# Altium PCB PCB.PcbDoc (part 2 of 10)
Units mil, origin at the board's own origin, x right, y up, seen from the top; angles counter-clockwise.
Board outline 4370.08 x 4921.26 mil, 6 copper layers (Component Side, Ground Plane I, Signal Layer 1, Power Plane, Ground Plane II, Solder Side), stack 57.638 mil thick; 274 components, 415 nets, 1726 pads, 902 vias.
Unrouted connection lines stored in the file: 2.
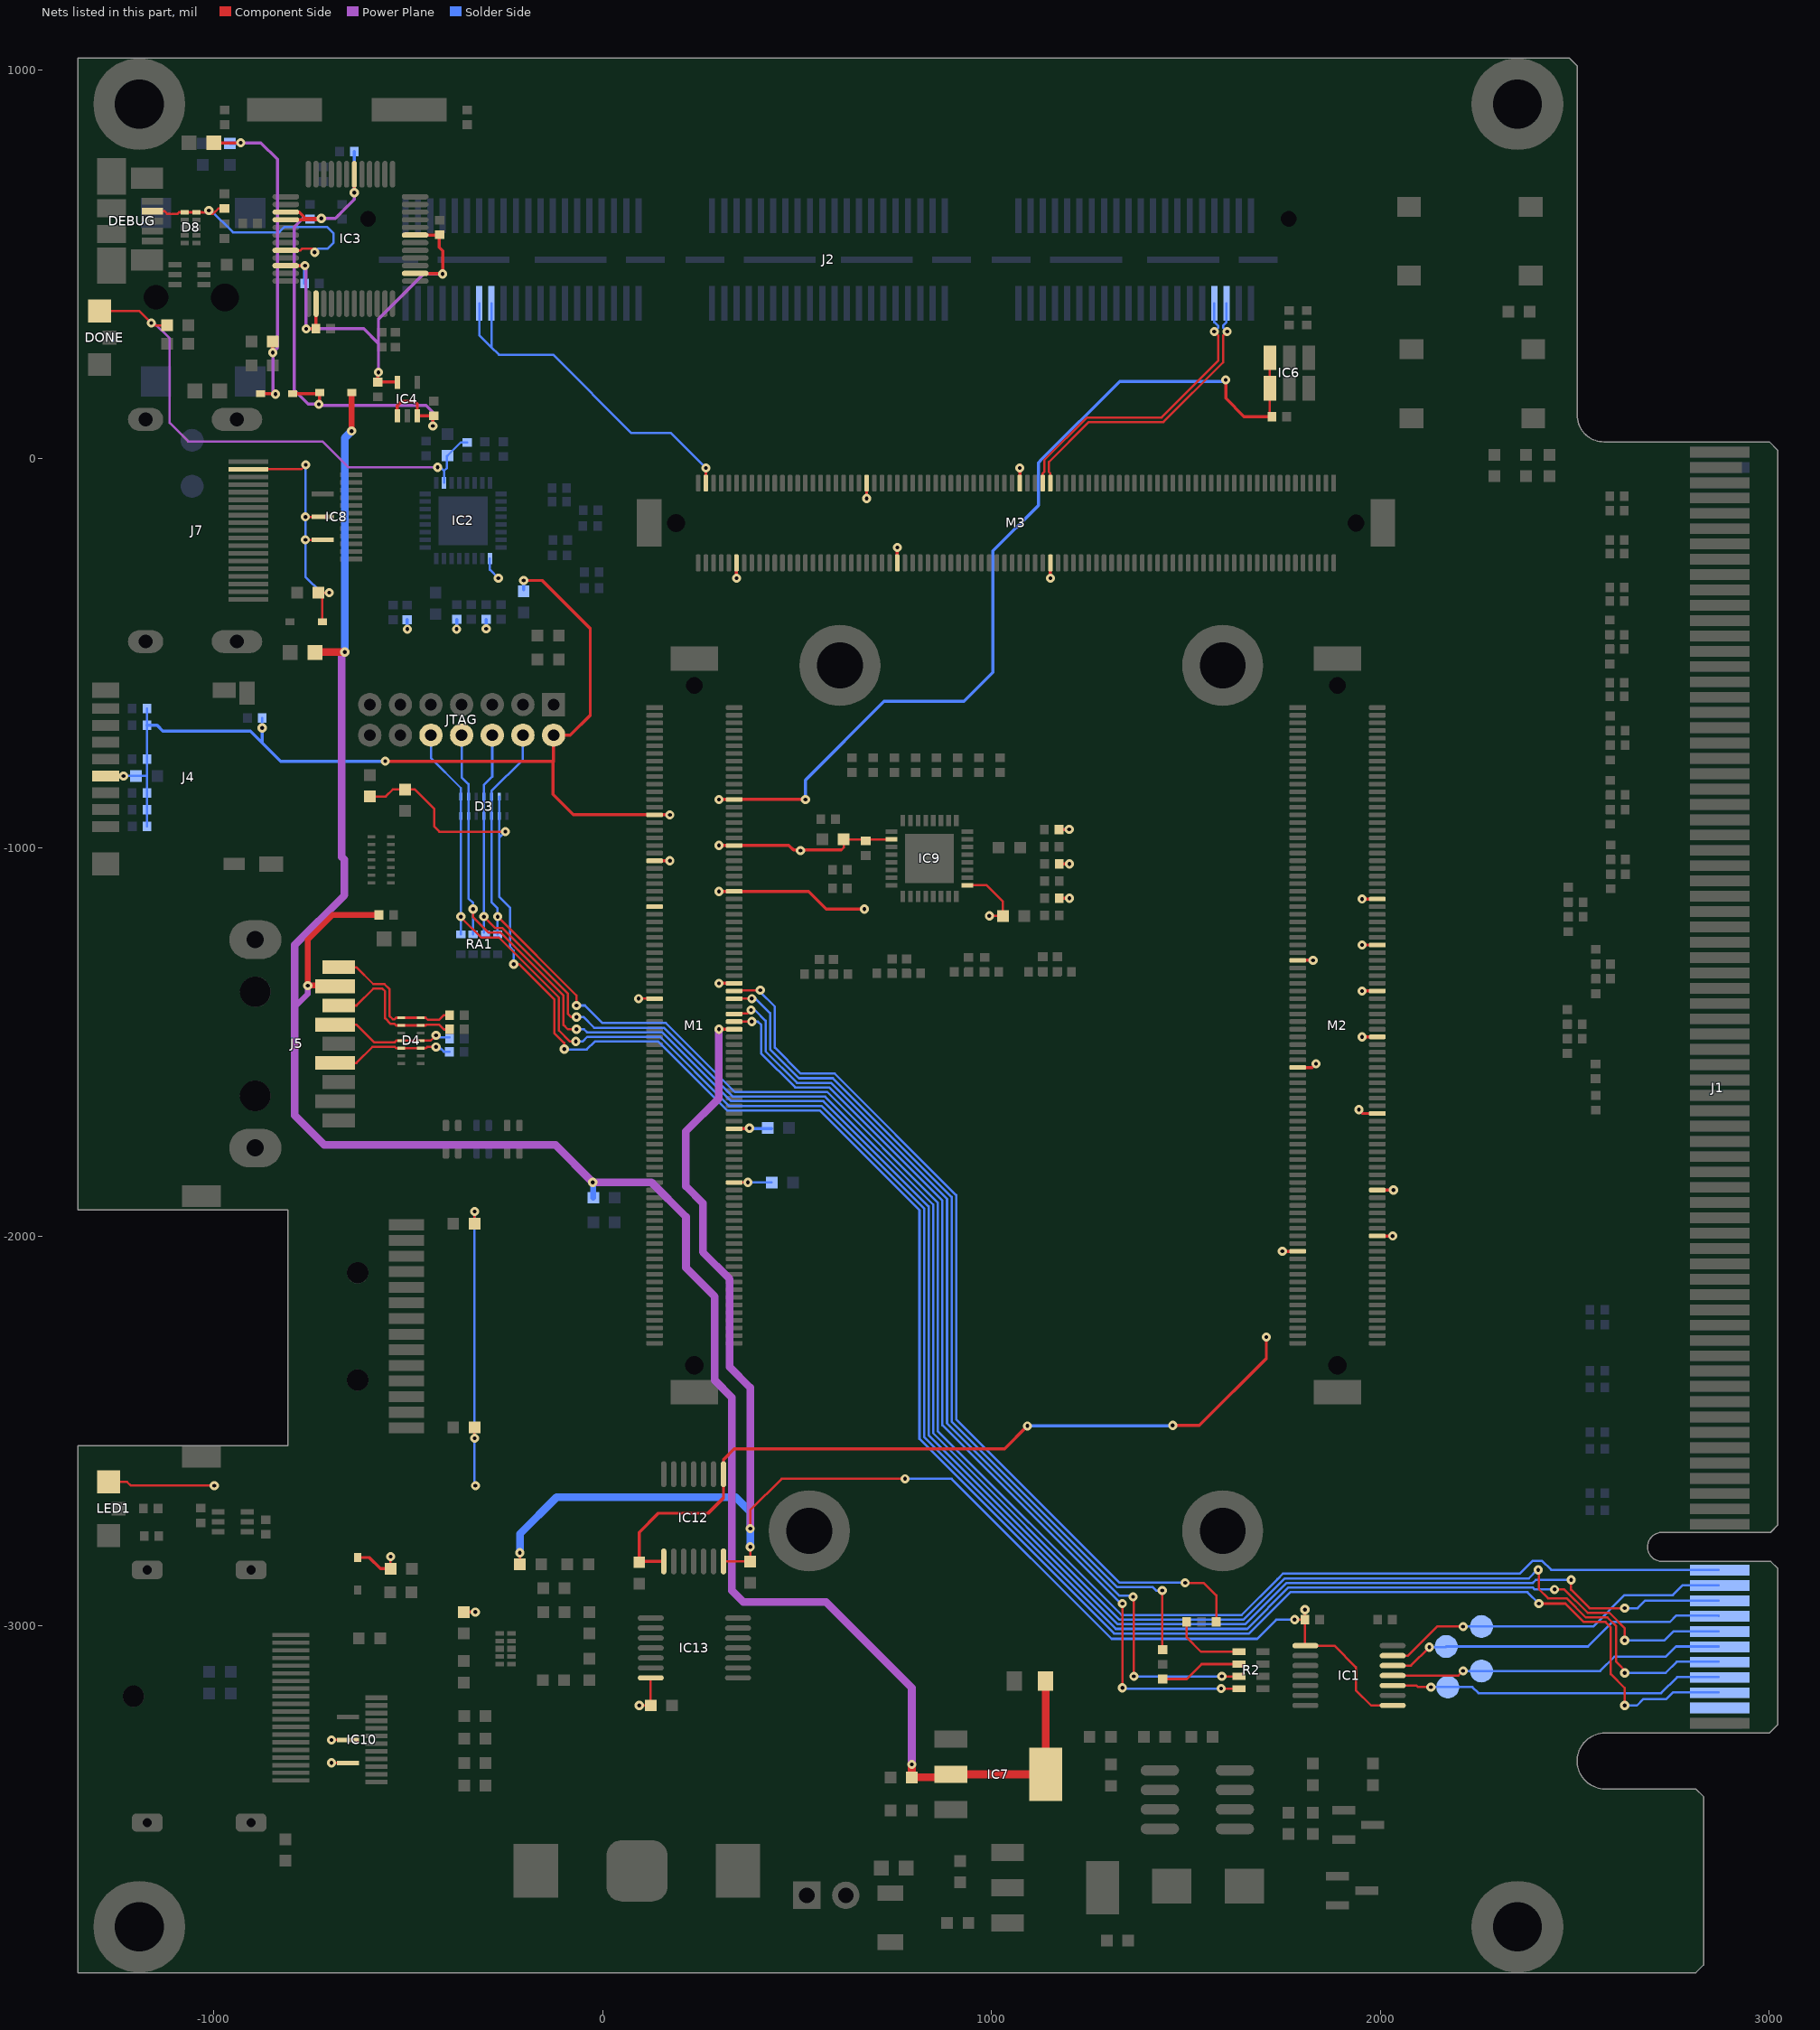
[diagram p6: the nets of this part, all layers, seen from the top]

## Footprints (in the part's own frame and the unit in brackets; to place one, negate y for a bottom-side part, rotate by r counter-clockwise, add the part's x,y. Pads: shape width x height; smd on the part's side, far side on the other; paste and mask are expansions set on the pad) (continued)
PCIe_x16_card_edge [mm]
  rect 0.7x3.4 smd far side paste-10 mask-10: A1(0.65,4.1)
  rect 0.7x3.9 smd far side paste-10 mask-10: A2(1.65,3.85) A3(2.65,3.85) A4(3.65,3.85) A5(4.65,3.85) A6(5.65,3.85) A7(6.65,3.85) A8(7.65,3.85) A9(8.65,3.85) A10(9.65,3.85) A11(10.65,3.85) A12(13.65,3.85) A13(14.65,3.85) A14(15.65,3.85) A15(16.65,3.85) A16(17.65,3.85) A17(18.65,3.85) A18(19.65,3.85) A19(20.65,3.85) A20(21.65,3.85) A21(22.65,3.85) A22(23.65,3.85) A23(24.65,3.85) A24(25.65,3.85) A25(26.65,3.85) A26(27.65,3.85) A27(28.65,3.85) A28(29.65,3.85) A29(30.65,3.85) A30(31.65,3.85) A31(32.65,3.85) A32(33.65,3.85) A33(34.65,3.85) A34(35.65,3.85) A35(36.65,3.85) A36(37.65,3.85) A37(38.65,3.85) A38(39.65,3.85) A39(40.65,3.85) A40(41.65,3.85) A41(42.65,3.85) A42(43.65,3.85) A43(44.65,3.85) A44(45.65,3.85) A45(46.65,3.85) A46(47.65,3.85) A47(48.65,3.85) A48(49.65,3.85) A49(50.65,3.85) A50(51.65,3.85) A51(52.65,3.85) A52(53.65,3.85) A53(54.65,3.85) A54(55.65,3.85) A55(56.65,3.85) A56(57.65,3.85) A57(58.65,3.85) A58(59.65,3.85) A59(60.65,3.85) A60(61.65,3.85) A61(62.65,3.85) A62(63.65,3.85) A63(64.65,3.85) A64(65.65,3.85) A65(66.65,3.85) A66(67.65,3.85) A67(68.65,3.85) A68(69.65,3.85) A69(70.65,3.85) A70(71.65,3.85) A71(72.65,3.85) A72(73.65,3.85) A73(74.65,3.85) A74(75.65,3.85) A75(76.65,3.85) A76(77.65,3.85) A77(78.65,3.85) A78(79.65,3.85) A79(80.65,3.85) A80(81.65,3.85) A81(82.65,3.85) A82(83.65,3.85)
  rect 0.7x3.9 smd paste-10 mask-10: B1(0.65,3.85) B2(1.65,3.85) B3(2.65,3.85) B4(3.65,3.85) B5(4.65,3.85) B6(5.65,3.85) B7(6.65,3.85) B8(7.65,3.85) B9(8.65,3.85) B10(9.65,3.85) B11(10.65,3.85) B12(13.65,3.85) B13(14.65,3.85) B14(15.65,3.85) B15(16.65,3.85) B16(17.65,3.85) B17(18.65,3.85) B18(19.65,3.85) B19(20.65,3.85) B20(21.65,3.85) B21(22.65,3.85) B22(23.65,3.85) B23(24.65,3.85) B24(25.65,3.85) B25(26.65,3.85) B26(27.65,3.85) B27(28.65,3.85) B28(29.65,3.85) B29(30.65,3.85) B30(31.65,3.85) B31(32.65,3.85) B32(33.65,3.85) B33(34.65,3.85) B34(35.65,3.85) B35(36.65,3.85) B36(37.65,3.85) B37(38.65,3.85) B38(39.65,3.85) B39(40.65,3.85) B40(41.65,3.85) B41(42.65,3.85) B42(43.65,3.85) B43(44.65,3.85) B44(45.65,3.85) B45(46.65,3.85) B46(47.65,3.85) B47(48.65,3.85) B48(49.65,3.85) B49(50.65,3.85) B50(51.65,3.85) B51(52.65,3.85) B52(53.65,3.85) B53(54.65,3.85) B54(55.65,3.85) B55(56.65,3.85) B56(57.65,3.85) B57(58.65,3.85) B58(59.65,3.85) B59(60.65,3.85) B60(61.65,3.85) B61(62.65,3.85) B62(63.65,3.85) B63(64.65,3.85) B64(65.65,3.85) B65(66.65,3.85) B66(67.65,3.85) B67(68.65,3.85) B68(69.65,3.85) B69(70.65,3.85) B70(71.65,3.85) B71(72.65,3.85) B72(73.65,3.85) B73(74.65,3.85) B74(75.65,3.85) B75(76.65,3.85) B76(77.65,3.85) B77(78.65,3.85) B78(79.65,3.85) B79(80.65,3.85) B80(81.65,3.85) B82(83.65,3.85)
  rect 0.7x3.4 smd paste-10 mask-10: B81(82.65,4.1)
  Component Side region: 83.499,1.4 83.799,1.4 83.799,2.625 83.499,2.625
  Component Side region: 80.499,1.4 80.799,1.4 80.799,2.625 80.499,2.625
  Component Side region: 79.499,1.4 79.799,1.4 79.799,2.625 79.499,2.625
  Component Side region: 78.499,1.4 78.799,1.4 78.799,2.625 78.499,2.625
  Component Side region: 77.499,1.4 77.799,1.4 77.799,2.625 77.499,2.625
  Component Side region: 76.499,1.4 76.799,1.4 76.799,2.625 76.499,2.625
  Component Side region: 75.499,1.4 75.799,1.4 75.799,2.625 75.499,2.625
  Component Side region: 74.499,1.4 74.799,1.4 74.799,2.625 74.499,2.625
  Component Side region: 73.499,1.4 73.799,1.4 73.799,2.625 73.499,2.625
  Component Side region: 72.499,1.4 72.799,1.4 72.799,2.625 72.499,2.625
  Component Side region: 71.499,1.4 71.799,1.4 71.799,2.625 71.499,2.625
  Component Side region: 70.499,1.4 70.799,1.4 70.799,2.625 70.499,2.625
  Component Side region: 69.499,1.4 69.799,1.4 69.799,2.625 69.499,2.625
  Component Side region: 68.499,1.4 68.799,1.4 68.799,2.625 68.499,2.625
  Component Side region: 67.499,1.4 67.799,1.4 67.799,2.625 67.499,2.625
  Component Side region: 66.499,1.4 66.799,1.4 66.799,2.625 66.499,2.625
  Component Side region: 65.499,1.4 65.799,1.4 65.799,2.625 65.499,2.625
  Component Side region: 64.499,1.4 64.799,1.4 64.799,2.625 64.499,2.625
  Component Side region: 63.499,1.4 63.799,1.4 63.799,2.625 63.499,2.625
  Component Side region: 62.499,1.4 62.799,1.4 62.799,2.625 62.499,2.625
  Component Side region: 61.499,1.4 61.799,1.4 61.799,2.625 61.499,2.625
  Component Side region: 60.499,1.4 60.799,1.4 60.799,2.625 60.499,2.625
  Component Side region: 59.499,1.4 59.799,1.4 59.799,2.625 59.499,2.625
  Component Side region: 58.499,1.4 58.799,1.4 58.799,2.625 58.499,2.625
  Component Side region: 57.499,1.4 57.799,1.4 57.799,2.625 57.499,2.625
  Component Side region: 56.499,1.4 56.799,1.4 56.799,2.625 56.499,2.625
  Component Side region: 55.499,1.4 55.799,1.4 55.799,2.625 55.499,2.625
  Component Side region: 54.499,1.4 54.799,1.4 54.799,2.625 54.499,2.625
  Component Side region: 53.499,1.4 53.799,1.4 53.799,2.625 53.499,2.625
  Component Side region: 52.499,1.4 52.799,1.4 52.799,2.625 52.499,2.625
  Component Side region: 51.499,1.4 51.799,1.4 51.799,2.625 51.499,2.625
  Component Side region: 50.499,1.4 50.799,1.4 50.799,2.625 50.499,2.625
  Component Side region: 48.499,1.4 48.799,1.4 48.799,2.625 48.499,2.625
  Component Side region: 46.499,1.4 46.799,1.4 46.799,2.625 46.499,2.625
  Component Side region: 45.499,1.4 45.799,1.4 45.799,2.625 45.499,2.625
  Component Side region: 44.499,1.4 44.799,1.4 44.799,2.625 44.499,2.625
  Component Side region: 43.499,1.4 43.799,1.4 43.799,2.625 43.499,2.625
  Component Side region: 42.5,1.401 42.8,1.401 42.8,2.626 42.5,2.626
  Component Side region: 41.499,1.4 41.799,1.4 41.799,2.625 41.499,2.625
  Component Side region: 40.5,1.401 40.8,1.401 40.8,2.626 40.5,2.626
  Component Side region: 39.5,1.401 39.8,1.401 39.8,2.626 39.5,2.626
  Component Side region: 38.499,1.4 38.799,1.4 38.799,2.625 38.499,2.625
  Component Side region: 35.499,1.4 35.799,1.4 35.799,2.625 35.499,2.625
  Component Side region: 34.5,1.401 34.8,1.401 34.8,2.626 34.5,2.626
  Component Side region: 31.499,1.4 31.799,1.4 31.799,2.625 31.499,2.625
  Component Side region: 30.499,1.4 30.799,1.4 30.799,2.625 30.499,2.625
  Component Side region: 29.5,1.401 29.8,1.401 29.8,2.626 29.5,2.626
  Component Side region: 28.499,1.4 28.799,1.4 28.799,2.625 28.499,2.625
  Component Side region: 27.5,1.401 27.8,1.401 27.8,2.626 27.5,2.626
  Component Side region: 26.499,1.4 26.799,1.4 26.799,2.625 26.499,2.625
  Component Side region: 25.499,1.4 25.799,1.4 25.799,2.625 25.499,2.625
  Component Side region: 24.5,1.401 24.8,1.401 24.8,2.626 24.5,2.626
  Component Side region: 23.499,1.4 23.799,1.4 23.799,2.625 23.499,2.625
  Component Side region: 22.5,1.401 22.8,1.401 22.8,2.626 22.5,2.626
  Component Side region: 21.499,1.4 21.799,1.4 21.799,2.625 21.499,2.625
  Component Side region: 20.499,1.4 20.799,1.4 20.799,2.625 20.499,2.625
  Component Side region: 19.5,1.401 19.8,1.401 19.8,2.626 19.5,2.626
  Component Side region: 17.499,1.4 17.799,1.4 17.799,2.625 17.499,2.625
  Component Side region: 16.499,1.4 16.799,1.4 16.799,2.625 16.499,2.625
  Component Side region: 14.5,1.401 14.8,1.401 14.8,2.626 14.5,2.626
  Component Side region: 13.499,1.4 13.799,1.4 13.799,2.625 13.499,2.625
  Component Side region: 10.499,1.4 10.799,1.4 10.799,2.625 10.499,2.625
  Component Side region: 9.5,1.401 9.8,1.401 9.8,2.626 9.5,2.626
  Component Side region: 8.499,1.4 8.799,1.4 8.799,2.625 8.499,2.625
  Component Side region: 7.499,1.4 7.799,1.4 7.799,2.625 7.499,2.625
  Component Side region: 6.5,1.401 6.8,1.401 6.8,2.626 6.5,2.626
  Component Side region: 5.499,1.4 5.799,1.4 5.799,2.625 5.499,2.625
  Component Side region: 4.5,1.401 4.8,1.401 4.8,2.626 4.5,2.626
  Component Side region: 3.499,1.4 3.799,1.4 3.799,2.625 3.499,2.625
  Component Side region: 2.499,1.4 2.799,1.4 2.799,2.625 2.499,2.625
  Component Side region: 1.5,1.401 1.8,1.401 1.8,2.626 1.5,2.626
  Component Side region: 0.499,1.4 0.799,1.4 0.799,2.625 0.499,2.625
  Component Side region: 49.5,1.401 49.8,1.401 49.8,2.626 49.5,2.626
  Component Side region: 18.499,1.4 18.799,1.4 18.799,2.625 18.499,2.625
  Solder Side region: 83.499,1.4 83.799,1.4 83.799,2.625 83.499,2.625
  Solder Side region: 82.499,1.4 82.799,1.4 82.799,2.625 82.499,2.625
  Solder Side region: 79.499,1.4 79.799,1.4 79.799,2.625 79.499,2.625
  Solder Side region: 78.499,1.4 78.799,1.4 78.799,2.625 78.499,2.625
  Solder Side region: 77.499,1.4 77.799,1.4 77.799,2.625 77.499,2.625
  Solder Side region: 76.499,1.4 76.799,1.4 76.799,2.625 76.499,2.625
  Solder Side region: 75.499,1.4 75.799,1.4 75.799,2.625 75.499,2.625
  Solder Side region: 74.499,1.4 74.799,1.4 74.799,2.625 74.499,2.625
  Solder Side region: 73.499,1.4 73.799,1.4 73.799,2.625 73.499,2.625
  Solder Side region: 72.499,1.4 72.799,1.4 72.799,2.625 72.499,2.625
  Solder Side region: 71.499,1.4 71.799,1.4 71.799,2.625 71.499,2.625
  Solder Side region: 70.499,1.4 70.799,1.4 70.799,2.625 70.499,2.625
  Solder Side region: 69.499,1.4 69.799,1.4 69.799,2.625 69.499,2.625
  Solder Side region: 68.499,1.4 68.799,1.4 68.799,2.625 68.499,2.625
  Solder Side region: 67.499,1.4 67.799,1.4 67.799,2.625 67.499,2.625
  Solder Side region: 66.499,1.4 66.799,1.4 66.799,2.625 66.499,2.625
  Solder Side region: 65.499,1.4 65.799,1.4 65.799,2.625 65.499,2.625
  Solder Side region: 64.499,1.4 64.799,1.4 64.799,2.625 64.499,2.625
  Solder Side region: 63.499,1.4 63.799,1.4 63.799,2.625 63.499,2.625
  Solder Side region: 62.499,1.4 62.799,1.4 62.799,2.625 62.499,2.625
  Solder Side region: 61.499,1.4 61.799,1.4 61.799,2.625 61.499,2.625
  Solder Side region: 60.499,1.4 60.799,1.4 60.799,2.625 60.499,2.625
  Solder Side region: 59.499,1.4 59.799,1.4 59.799,2.625 59.499,2.625
  Solder Side region: 58.499,1.4 58.799,1.4 58.799,2.625 58.499,2.625
  Solder Side region: 57.499,1.4 57.799,1.4 57.799,2.625 57.499,2.625
  Solder Side region: 56.499,1.4 56.799,1.4 56.799,2.625 56.499,2.625
  Solder Side region: 55.499,1.4 55.799,1.4 55.799,2.625 55.499,2.625
  Solder Side region: 54.499,1.4 54.799,1.4 54.799,2.625 54.499,2.625
  Solder Side region: 53.499,1.4 53.799,1.4 53.799,2.625 53.499,2.625
  Solder Side region: 52.499,1.4 52.799,1.4 52.799,2.625 52.499,2.625
  Solder Side region: 51.499,1.4 51.799,1.4 51.799,2.625 51.499,2.625
  Solder Side region: 50.499,1.4 50.799,1.4 50.799,2.625 50.499,2.625
  Solder Side region: 49.499,1.4 49.799,1.4 49.799,2.625 49.499,2.625
  Solder Side region: 48.499,1.4 48.799,1.4 48.799,2.625 48.499,2.625
  Solder Side region: 47.499,1.4 47.799,1.4 47.799,2.625 47.499,2.625
  Solder Side region: 45.499,1.4 45.799,1.4 45.799,2.625 45.499,2.625
  Solder Side region: 44.499,1.4 44.799,1.4 44.799,2.625 44.499,2.625
  Solder Side region: 43.499,1.4 43.799,1.4 43.799,2.625 43.499,2.625
  Solder Side region: 42.5,1.401 42.8,1.401 42.8,2.626 42.5,2.626
  Solder Side region: 41.499,1.4 41.799,1.4 41.799,2.625 41.499,2.625
  Solder Side region: 40.5,1.401 40.8,1.401 40.8,2.626 40.5,2.626
  Solder Side region: 39.5,1.401 39.8,1.401 39.8,2.626 39.5,2.626
  Solder Side region: 38.499,1.4 38.799,1.4 38.799,2.625 38.499,2.625
  Solder Side region: 37.5,1.401 37.8,1.401 37.8,2.626 37.5,2.626
  Solder Side region: 36.499,1.4 36.799,1.4 36.799,2.625 36.499,2.625
  Solder Side region: 35.499,1.4 35.799,1.4 35.799,2.625 35.499,2.625
  Solder Side region: 34.5,1.401 34.8,1.401 34.8,2.626 34.5,2.626
  Solder Side region: 33.499,1.4 33.799,1.4 33.799,2.625 33.499,2.625
  Solder Side region: 32.5,1.401 32.8,1.401 32.8,2.626 32.5,2.626
  Solder Side region: 31.499,1.4 31.799,1.4 31.799,2.625 31.499,2.625
  Solder Side region: 30.499,1.4 30.799,1.4 30.799,2.625 30.499,2.625
  Solder Side region: 29.5,1.401 29.8,1.401 29.8,2.626 29.5,2.626
  Solder Side region: 28.499,1.4 28.799,1.4 28.799,2.625 28.499,2.625
  Solder Side region: 27.5,1.401 27.8,1.401 27.8,2.626 27.5,2.626
  Solder Side region: 26.499,1.4 26.799,1.4 26.799,2.625 26.499,2.625
  Solder Side region: 25.499,1.4 25.799,1.4 25.799,2.625 25.499,2.625
  Solder Side region: 24.5,1.401 24.8,1.401 24.8,2.626 24.5,2.626
  Solder Side region: 23.499,1.4 23.799,1.4 23.799,2.625 23.499,2.625
  Solder Side region: 22.5,1.401 22.8,1.401 22.8,2.626 22.5,2.626
  Solder Side region: 21.499,1.4 21.799,1.4 21.799,2.625 21.499,2.625
  Solder Side region: 20.499,1.4 20.799,1.4 20.799,2.625 20.499,2.625
  Solder Side region: 19.5,1.401 19.8,1.401 19.8,2.626 19.5,2.626
  Solder Side region: 18.499,1.4 18.799,1.4 18.799,2.625 18.499,2.625
  Solder Side region: 17.499,1.4 17.799,1.4 17.799,2.625 17.499,2.625
  Solder Side region: 16.499,1.4 16.799,1.4 16.799,2.625 16.499,2.625
  Solder Side region: 15.499,1.4 15.799,1.4 15.799,2.625 15.499,2.625
  Solder Side region: 14.5,1.401 14.8,1.401 14.8,2.626 14.5,2.626
  Solder Side region: 13.499,1.4 13.799,1.4 13.799,2.625 13.499,2.625
  Solder Side region: 10.499,1.4 10.799,1.4 10.799,2.625 10.499,2.625
  Solder Side region: 9.5,1.401 9.8,1.401 9.8,2.626 9.5,2.626
  Solder Side region: 8.499,1.4 8.799,1.4 8.799,2.625 8.499,2.625
  Solder Side region: 7.499,1.4 7.799,1.4 7.799,2.625 7.499,2.625
  Solder Side region: 6.5,1.401 6.8,1.401 6.8,2.626 6.5,2.626
  Solder Side region: 5.499,1.4 5.799,1.4 5.799,2.625 5.499,2.625
  Solder Side region: 4.5,1.401 4.8,1.401 4.8,2.626 4.5,2.626
  Solder Side region: 3.499,1.4 3.799,1.4 3.799,2.625 3.499,2.625
  Solder Side region: 2.499,1.4 2.799,1.4 2.799,2.625 2.499,2.625
  Solder Side region: 1.5,1.401 1.8,1.401 1.8,2.626 1.5,2.626
QFN-32 [mm] "QFN, 32-Leads, Body 5,00x5,00mm, Pitch 0,50mm, Thermal Pad 3,20x3,20mm, IPC Medium Density"
  rect 0.75x0.3 smd: 1(-2.475,1.75) 2(-2.475,1.25) 3(-2.475,0.75) 4(-2.475,0.25) 5(-2.475,-0.25) 6(-2.475,-0.75) 7(-2.475,-1.25) 8(-2.475,-1.75) 17(2.475,-1.75) 18(2.475,-1.25) 19(2.475,-0.75) 20(2.475,-0.25) 21(2.475,0.25) 22(2.475,0.75) 23(2.475,1.25) 24(2.475,1.75)
  rect 0.3x0.75 smd: 9(-1.75,-2.475) 10(-1.25,-2.475) 11(-0.75,-2.475) 12(-0.25,-2.475) 13(0.25,-2.475) 14(0.75,-2.475) 15(1.25,-2.475) 16(1.75,-2.475) 25(1.75,2.475) 26(1.25,2.475) 27(0.75,2.475) 28(0.25,2.475) 29(-0.25,2.475) 30(-0.75,2.475) 31(-1.25,2.475) 32(-1.75,2.475)
  rect 3.2x3.2 smd: 33(0,0)
  silkscreen extent -3.42,-2.65 2.65,2.65, body extent -2.5,-2.5 2.5,2.5, height 1
QSE-060-01-L-D-A [mm]
  round 0 hole 1.02: 0(-30.063,2.66) 0(30.064,2.66)
  rect 0.41x2.27 smd: 1(-27.601,-2.865) 2(-27.601,2.865) 3(-26.801,-2.865) 4(-26.801,2.865) 5(-26.001,-2.865) 6(-26.001,2.865) 7(-25.201,-2.865) 8(-25.201,2.865) 9(-24.401,-2.865) 10(-24.401,2.865) 11(-23.601,-2.865) 12(-23.601,2.865) 13(-22.801,-2.865) 14(-22.801,2.865) 15(-22.001,-2.865) 16(-22.001,2.865) 17(-21.201,-2.865) 18(-21.201,2.865) 19(-20.401,-2.865) 20(-20.401,2.865) 21(-19.601,-2.865) 22(-19.601,2.865) 23(-18.801,-2.865) 24(-18.801,2.865) 25(-18.001,-2.865) 26(-18.001,2.865) 27(-17.201,-2.865) 28(-17.201,2.865) 29(-16.401,-2.865) 30(-16.401,2.865) 31(-15.601,-2.865) 32(-15.601,2.865) 33(-14.801,-2.865) 34(-14.801,2.865) 35(-14.001,-2.865) 36(-14.001,2.865) 37(-13.201,-2.865) 38(-13.201,2.865) 39(-12.401,-2.865) 40(-12.401,2.865) 41(-7.598,-2.865) 42(-7.598,2.865) 43(-6.798,-2.865) 44(-6.798,2.865) 45(-5.998,-2.865) 46(-5.998,2.865) 47(-5.198,-2.865) 48(-5.198,2.865) 49(-4.398,-2.865) 50(-4.398,2.865) 51(-3.598,-2.865) 52(-3.598,2.865) 53(-2.798,-2.865) 54(-2.798,2.865) 55(-1.998,-2.865) 56(-1.998,2.865) 57(-1.198,-2.865) 58(-1.198,2.865) 59(-0.398,-2.865) 60(-0.398,2.865) 61(0.402,-2.865) 62(0.402,2.865) 63(1.202,-2.865) 64(1.202,2.865) 65(2.002,-2.865) 66(2.002,2.865) 67(2.802,-2.865) 68(2.802,2.865) 69(3.602,-2.865) 70(3.602,2.865) 71(4.402,-2.865) 72(4.402,2.865) 73(5.202,-2.865) 74(5.202,2.865) 75(6.002,-2.865) 76(6.002,2.865) 77(6.802,-2.865) 78(6.802,2.865) 79(7.602,-2.865) 80(7.602,2.865) 81(12.402,-2.865) 82(12.402,2.865) 83(13.202,-2.865) 84(13.202,2.865) 85(14.002,-2.865) 86(14.002,2.865) 87(14.802,-2.865) 88(14.802,2.865) 89(15.602,-2.865) 90(15.602,2.865) 91(16.402,-2.865) 92(16.402,2.865) 93(17.202,-2.865) 94(17.202,2.865) 95(18.002,-2.865) 96(18.002,2.865) 97(18.802,-2.865) 98(18.802,2.865) 99(19.602,-2.865) 100(19.602,2.865) 101(20.402,-2.865) 102(20.402,2.865) 103(21.202,-2.865) 104(21.202,2.865) 105(22.002,-2.865) 106(22.002,2.865) 107(22.802,-2.865) 108(22.802,2.865) 109(23.602,-2.865) 110(23.602,2.865) 111(24.402,-2.865) 112(24.402,2.865) 113(25.202,-2.865) 114(25.202,2.865) 115(26.002,-2.865) 116(26.002,2.865) 117(26.802,-2.865) 118(26.802,2.865) 119(27.602,-2.865) 120(27.602,2.865)
  rect 2.54x0.43 smd: M1(-28.068,-0.007) M1(-11.941,-0.007) M2(-8.057,-0.006) M2(8.071,-0.006) M3(11.943,-0.006) M3(28.071,-0.006)
  rect 4.7x0.43 smd: M1(-23.176,-0.007) M1(-16.831,-0.006) M2(-3.166,-0.006) M2(3.18,-0.006) M3(16.833,-0.006) M3(23.179,-0.006)
  silkscreen extent -30.86,-4.2 30.86,4.2, body extent -30.68,-3.77 30.61,3.72, height 3.05
RA_1206 [mm] "Resistor Array 0.8mm"
  rect 0.5x0.6 smd: 1(0,0) 2(0,-0.8) 3(0,-1.6) 4(0,-2.4) 5(1.3,0) 6(1.3,-0.8) 7(1.3,-1.6) 8(1.3,-2.4)
  silkscreen extent -0.47,-2.92 1.77,0.52, body extent -0.47,-2.92 1.77,0.52, height 0.55
SC70-5 [mm] "SC70, 5-Leads, Pitch 0,65mm, EIAJ SC-88a"
  rect 0.85x0.35 smd: 1(0,0) 2(0,-0.65) 3(0,-1.3) 4(2.2,-1.3) 5(2.2,0)
  silkscreen extent -0.12,-1.65 1.47,0.87, body extent 0.07,-1.64 2.17,0.36, height 0.96
SOD-323 [mm]
  rect 0.45x0.59 smd: A(0,-1.055) C(0,1.055)
  silkscreen extent -0.89,-1.05 0.76,1.74, body extent -0.63,-1.25 0.63,1.25, height 1
SOIC-SN8_M [mm] "SOIC, 8-Leads, Body 4.9x3.8mm, Pitch 1.27mm, IPC Low Density"
  oval 2.5x0.7 smd: 1(-2.45,1.905) 2(-2.45,0.635) 3(-2.45,-0.635) 4(-2.45,-1.905) 5(2.45,-1.905) 6(2.45,-0.635) 7(2.45,0.635) 8(2.45,1.905)
  silkscreen extent -2.58,-2.5 0.8,2.93, body extent -2,-2.5 2,2.5, height 1.75
SON-15 [mm]
  rect 0.3x1.45 smd: 1(2.75,0.925) 2(2.25,0.925) 3(1.75,0.925) 4(1.25,0.925) 5(0.75,0.925) 6(0.25,0.925) 7(-0.25,0.925) 8(-0.75,0.925) 9(-1.25,0.925) 10(-1.75,0.925) 11(-2.25,0.925) 12(-2.75,0.925) 13(1.5,-0.925) 14(0,-0.925) 15(-1.5,-0.925)
  body extent -3.3,-1.3 3.3,1.3, height 0.8
SOT223 [mm] "SOT-223/SC-73; 4 Leads; Body 6.7 x 7.3 mm, inc. leads (LxW max)"
  rect 1.1x2.15 smd: 1(-2.3,-3.1) 2(0,-3.1) 3(2.3,-3.1)
  rect 3.5x2.15 smd: 4(0,3.1)
  silkscreen extent -3.35,-4.85 3.35,1.63, body extent -3.25,-3.48 3.25,3.48, height 1.61
SOT-23 [mm] "SOT23, 3-Leads, Body 2.90x2.45mm, Pitch 0.95mm, IPC Medium Density"
  rect 1.5x0.55 smd: 1(-0.95,0.95) 2(-0.95,-0.95) 3(0.95,0)
  silkscreen extent 0.2,-1.5 0.7,1.5, body extent -1.13,-1.5 1.13,1.5, height 1.21
SOT-363 [mm] "6-Leads, Body 2.00x2.10mm, Pitch 0.65mm, IPC Medium Density"
  rect 0.85x0.35 smd: 1(-0.95,0.65) 2(-0.95,0) 3(-0.95,-0.65) 4(0.95,-0.65) 5(0.95,0) 6(0.95,0.65)